# KiCad board Mioke80.kicad_pcb
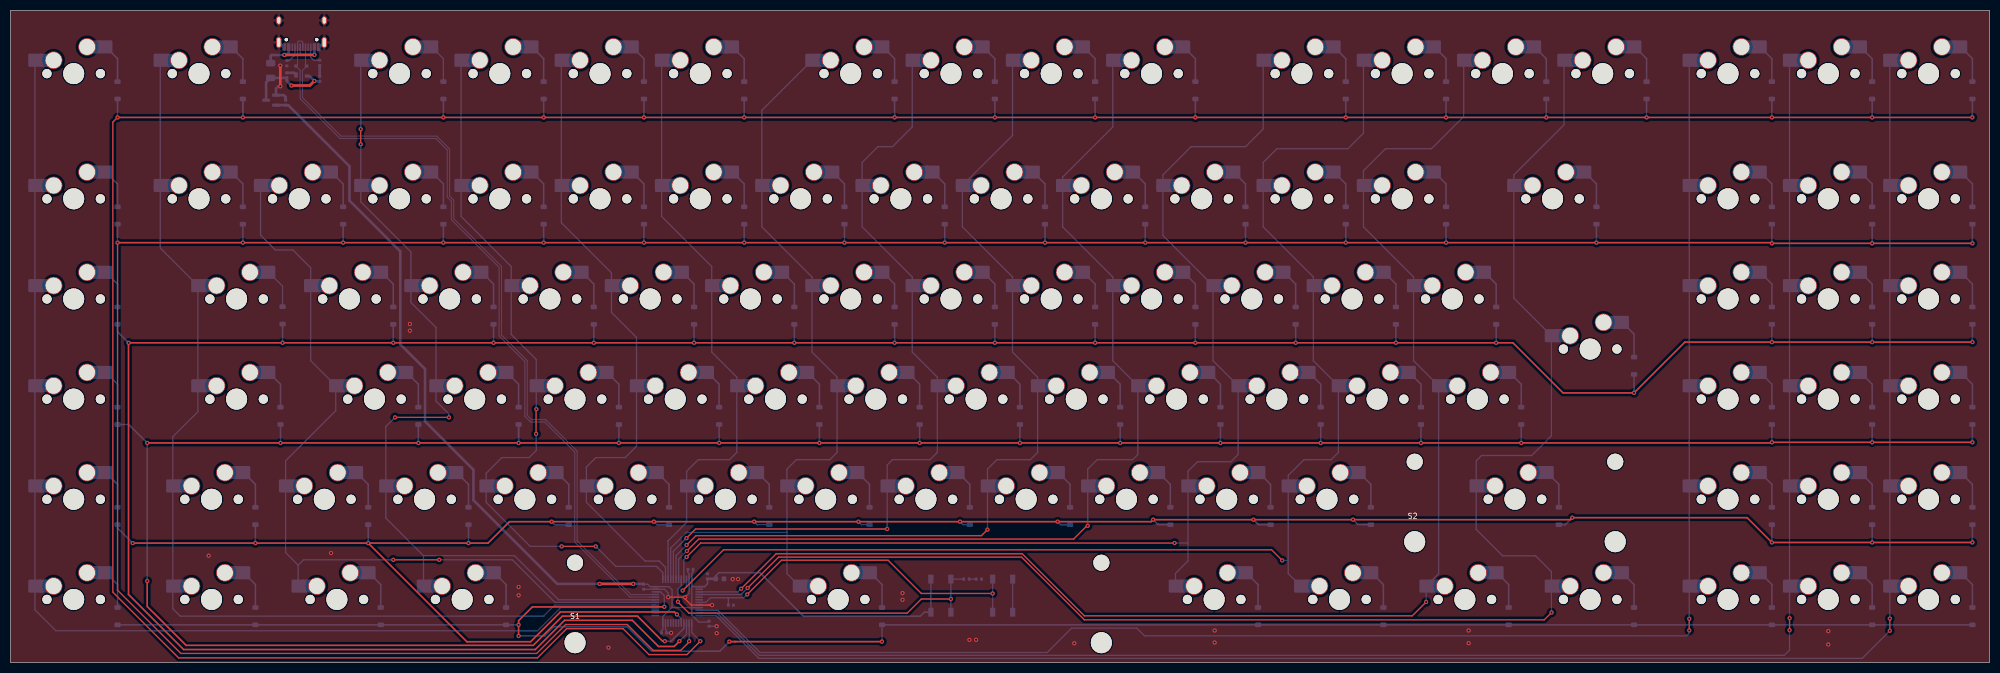
[diagram p0: board, top side]
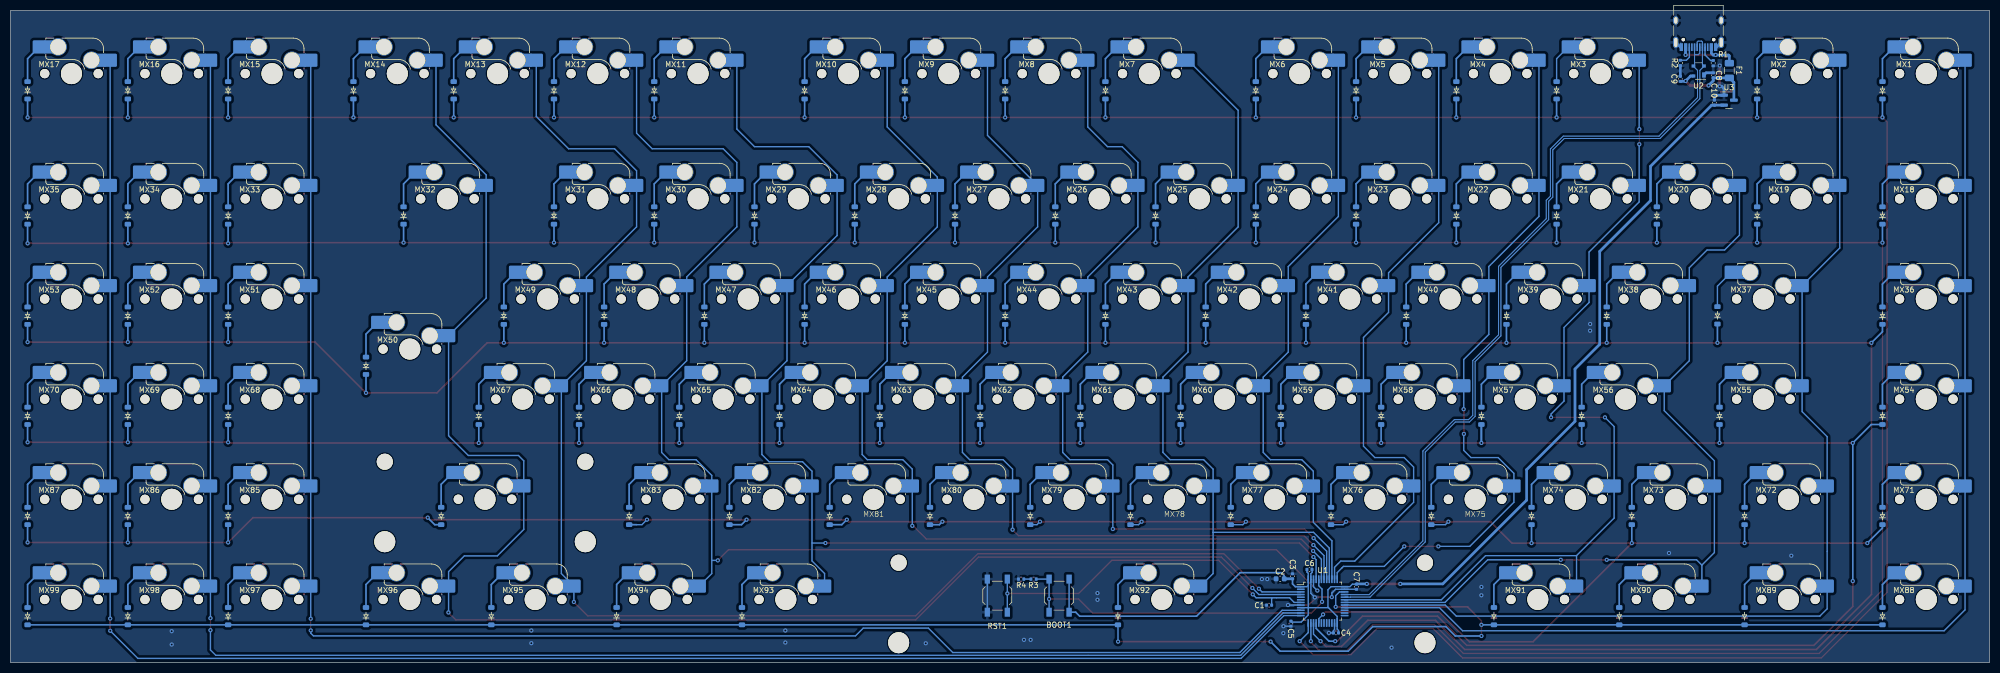
[diagram p1: board, bottom side, seen from below]

Outline 376 x 124 mm; copper layers: Top, Bottom. Coordinates in mm from the lower left corner of the outline.
Outline path: 0,124 0,0 376,0 376,124 0,124
Stack: Top 0.035mm / dielectric 1.11mm FR4 er 4.5 / Bottom 0.035mm

## Placement (name value [footprint] x y rotation side)
BOOT1  SW_SPST  [SW_SPST_TL3342]  176.77 12.71 270 bottom
C1  100nF  [C_0402_1005Metric]  136.87 10.91 0 bottom
C2  47uF  [C_0603_1608Metric]  134.77 15.91 0 bottom
C3  100nF  [C_0402_1005Metric]  132.42 16.39 90 bottom
C4  100nF  [C_0402_1005Metric]  124.17 5.62 0 bottom
C5  100nF  [C_0402_1005Metric]  132.73 7.38 270 bottom
C6  100nF  [C_0402_1005Metric]  129.2 17.69 180 bottom
C7  100nF  [C_0402_1005Metric]  120.28 14.41 270 bottom
C8  100nF  [C_0402_1005Metric]  52.49 111.67 90 bottom
C9  1uF  [C_0402_1005Metric]  58.74 111.01 90 bottom
C10  1uF  [C_0402_1005Metric]  52.27 106.48 90 bottom
D1  4148  [Diode_SOD-123]  20.33 108.83 90 bottom
D2  4148  [Diode_SOD-123]  44.15 108.83 90 bottom
D3  4148  [Diode_SOD-123]  82.25 108.83 90 bottom
D4  4148  [Diode_SOD-123]  101.3 108.83 90 bottom
D5  4148  [Diode_SOD-123]  120.35 108.83 90 bottom
D6  4148  [Diode_SOD-123]  139.4 108.83 90 bottom
D7  4148  [Diode_SOD-123]  167.97 108.83 90 bottom
D8  4148  [Diode_SOD-123]  187.02 108.83 90 bottom
D9  4148  [Diode_SOD-123]  206.07 108.83 90 bottom
D10  4148  [Diode_SOD-123]  225.12 108.83 90 bottom
D11  4148  [Diode_SOD-123]  253.7 108.83 90 bottom
D12  4148  [Diode_SOD-123]  272.75 108.83 90 bottom
D13  4148  [Diode_SOD-123]  291.8 108.83 90 bottom
D14  4148  [Diode_SOD-123]  310.85 108.83 90 bottom
D15  4148  [Diode_SOD-123]  334.66 108.83 90 bottom
D16  4148  [Diode_SOD-123]  353.71 108.83 90 bottom
D17  4148  [Diode_SOD-123]  372.76 108.83 90 bottom
D18  4148  [Diode_SOD-123]  20.33 85.01 90 bottom
D19  4148  [Diode_SOD-123]  44.15 85.01 90 bottom
D20  4148  [Diode_SOD-123]  63.2 85.01 90 bottom
D21  4148  [Diode_SOD-123]  82.25 85.01 90 bottom
D22  4148  [Diode_SOD-123]  101.3 85.01 90 bottom
D23  4148  [Diode_SOD-123]  120.35 85.01 90 bottom
D24  4148  [Diode_SOD-123]  139.4 85.01 90 bottom
D25  4148  [Diode_SOD-123]  158.45 85.01 90 bottom
D26  4148  [Diode_SOD-123]  177.5 85.01 90 bottom
D27  4148  [Diode_SOD-123]  196.55 85.01 90 bottom
D28  4148  [Diode_SOD-123]  215.6 85.01 90 bottom
D29  4148  [Diode_SOD-123]  234.65 85.01 90 bottom
D30  4148  [Diode_SOD-123]  253.7 85.01 90 bottom
D31  4148  [Diode_SOD-123]  272.75 85.01 90 bottom
D32  4148  [Diode_SOD-123]  301.32 85.01 90 bottom
D33  4148  [Diode_SOD-123]  334.66 85.01 90 bottom
D34  4148  [Diode_SOD-123]  353.71 85.01 90 bottom
D35  4148  [Diode_SOD-123]  372.76 85.01 90 bottom
D36  4148  [Diode_SOD-123]  20.33 65.96 90 bottom
D37  4148  [Diode_SOD-123]  51.69 66.03 90 bottom
D38  4148  [Diode_SOD-123]  72.72 65.96 90 bottom
D39  4148  [Diode_SOD-123]  91.77 65.96 90 bottom
D40  4148  [Diode_SOD-123]  110.82 65.96 90 bottom
D41  4148  [Diode_SOD-123]  129.87 65.96 90 bottom
D42  4148  [Diode_SOD-123]  148.92 65.96 90 bottom
D43  4148  [Diode_SOD-123]  167.97 65.96 90 bottom
D44  4148  [Diode_SOD-123]  187.02 65.96 90 bottom
D45  4148  [Diode_SOD-123]  206.07 65.96 90 bottom
D46  4148  [Diode_SOD-123]  225.12 65.96 90 bottom
D47  4148  [Diode_SOD-123]  244.17 65.96 90 bottom
D48  4148  [Diode_SOD-123]  263.22 65.96 90 bottom
D49  4148  [Diode_SOD-123]  282.27 65.96 90 bottom
D50  4148  [Diode_SOD-123]  308.47 56.44 90 bottom
D51  4148  [Diode_SOD-123]  334.66 65.96 90 bottom
D52  4148  [Diode_SOD-123]  353.71 65.96 90 bottom
D53  4148  [Diode_SOD-123]  372.76 65.96 90 bottom
D54  4148  [Diode_SOD-123]  20.33 46.91 90 bottom
D55  4148  [Diode_SOD-123]  51.29 46.91 90 bottom
D56  4148  [Diode_SOD-123]  77.48 46.91 90 bottom
D57  4148  [Diode_SOD-123]  96.53 46.91 90 bottom
D58  4148  [Diode_SOD-123]  115.58 46.91 90 bottom
D59  4148  [Diode_SOD-123]  134.63 46.91 90 bottom
D60  4148  [Diode_SOD-123]  153.68 46.91 90 bottom
D61  4148  [Diode_SOD-123]  172.73 46.91 90 bottom
D62  4148  [Diode_SOD-123]  191.78 46.91 90 bottom
D63  4148  [Diode_SOD-123]  210.83 46.91 90 bottom
D64  4148  [Diode_SOD-123]  229.88 46.91 90 bottom
D65  4148  [Diode_SOD-123]  248.93 46.91 90 bottom
D66  4148  [Diode_SOD-123]  267.98 46.91 90 bottom
D67  4148  [Diode_SOD-123]  287.03 46.91 90 bottom
D68  4148  [Diode_SOD-123]  334.66 46.91 90 bottom
D69  4148  [Diode_SOD-123]  353.71 46.91 90 bottom
D70  4148  [Diode_SOD-123]  372.76 46.91 90 bottom
D71  4148  [Diode_SOD-123]  20.33 27.86 90 bottom
D72  4148  [Diode_SOD-123]  46.53 27.86 90 bottom
D73  4148  [Diode_SOD-123]  67.96 27.86 90 bottom
D74  4148  [Diode_SOD-123]  87.01 27.86 90 bottom
D75  4148  [Diode_SOD-123]  106.06 27.86 90 bottom
D76  4148  [Diode_SOD-123]  125.11 27.86 90 bottom
D77  4148  [Diode_SOD-123]  144.16 27.86 90 bottom
D78  4148  [Diode_SOD-123]  163.21 27.86 90 bottom
D79  4148  [Diode_SOD-123]  182.26 27.86 90 bottom
D80  4148  [Diode_SOD-123]  201.31 27.86 90 bottom
D81  4148  [Diode_SOD-123]  220.36 27.86 90 bottom
D82  4148  [Diode_SOD-123]  239.41 27.86 90 bottom
D83  4148  [Diode_SOD-123]  258.46 27.86 90 bottom
D84  4148  [Diode_SOD-123]  294.18 27.86 90 bottom
D85  4148  [Diode_SOD-123]  334.66 27.86 90 bottom
D86  4148  [Diode_SOD-123]  353.71 27.86 90 bottom
D87  4148  [Diode_SOD-123]  372.76 27.86 90 bottom
D88  4148  [Diode_SOD-123]  20.33 8.81 90 bottom
D89  4148  [Diode_SOD-123]  46.53 8.81 90 bottom
D90  4148  [Diode_SOD-123]  70.34 8.81 90 bottom
D91  4148  [Diode_SOD-123]  94.15 8.81 90 bottom
D92  4148  [Diode_SOD-123]  165.59 8.81 90 bottom
D93  4148  [Diode_SOD-123]  237.03 8.81 90 bottom
D94  4148  [Diode_SOD-123]  260.84 8.81 90 bottom
D95  4148  [Diode_SOD-123]  284.65 8.81 90 bottom
D96  4148  [Diode_SOD-123]  308.47 8.81 90 bottom
D97  4148  [Diode_SOD-123]  334.66 8.81 90 bottom
D98  4148  [Diode_SOD-123]  353.71 8.81 90 bottom
D99  4148  [Diode_SOD-123]  372.76 8.81 90 bottom
F1  500mA  [Fuse_1206_3216Metric]  49.42 112.59 270 bottom
J1  USB_C_Receptacle_USB2.0  [USB_C_Receptacle_HRO_TYPE-C-31-M-12]  55.29 121.07 0 bottom
MX1  MX_SW_HS  [SW_MX_HS_CPG151101S11_1u]  12 112 180 bottom
MX2  MX_SW_HS  [SW_MX_HS_CPG151101S11_1u]  35.81 112 180 bottom
MX3  MX_SW_HS  [SW_MX_HS_CPG151101S11_1u]  73.91 112 180 bottom
MX4  MX_SW_HS  [SW_MX_HS_CPG151101S11_1u]  92.96 112 180 bottom
MX5  MX_SW_HS  [SW_MX_HS_CPG151101S11_1u]  112.01 112 180 bottom
MX6  MX_SW_HS  [SW_MX_HS_CPG151101S11_1u]  131.06 112 180 bottom
MX7  MX_SW_HS  [SW_MX_HS_CPG151101S11_1u]  159.64 112 180 bottom
MX8  MX_SW_HS  [SW_MX_HS_CPG151101S11_1u]  178.69 112 180 bottom
MX9  MX_SW_HS  [SW_MX_HS_CPG151101S11_1u]  197.74 112 180 bottom
MX10  MX_SW_HS  [SW_MX_HS_CPG151101S11_1u]  216.79 112 180 bottom
MX11  MX_SW_HS  [SW_MX_HS_CPG151101S11_1u]  245.36 112 180 bottom
MX12  MX_SW_HS  [SW_MX_HS_CPG151101S11_1u]  264.41 112 180 bottom
MX13  MX_SW_HS  [SW_MX_HS_CPG151101S11_1u]  283.46 112 180 bottom
MX14  MX_SW_HS  [SW_MX_HS_CPG151101S11_1u]  302.51 112 180 bottom
MX15  MX_SW_HS  [SW_MX_HS_CPG151101S11_1u]  326.32 112 180 bottom
MX16  MX_SW_HS  [SW_MX_HS_CPG151101S11_1u]  345.38 112 180 bottom
MX17  MX_SW_HS  [SW_MX_HS_CPG151101S11_1u]  364.42 112 180 bottom
MX18  MX_SW_HS  [SW_MX_HS_CPG151101S11_1u]  12 88.19 180 bottom
MX19  MX_SW_HS  [SW_MX_HS_CPG151101S11_1u]  35.81 88.19 180 bottom
MX20  MX_SW_HS  [SW_MX_HS_CPG151101S11_1u]  54.86 88.19 180 bottom
MX21  MX_SW_HS  [SW_MX_HS_CPG151101S11_1u]  73.91 88.19 180 bottom
MX22  MX_SW_HS  [SW_MX_HS_CPG151101S11_1u]  92.96 88.19 180 bottom
MX23  MX_SW_HS  [SW_MX_HS_CPG151101S11_1u]  112.01 88.19 180 bottom
MX24  MX_SW_HS  [SW_MX_HS_CPG151101S11_1u]  131.06 88.19 180 bottom
MX25  MX_SW_HS  [SW_MX_HS_CPG151101S11_1u]  150.11 88.19 180 bottom
MX26  MX_SW_HS  [SW_MX_HS_CPG151101S11_1u]  169.16 88.19 180 bottom
MX27  MX_SW_HS  [SW_MX_HS_CPG151101S11_1u]  188.21 88.19 180 bottom
MX28  MX_SW_HS  [SW_MX_HS_CPG151101S11_1u]  207.26 88.19 180 bottom
MX29  MX_SW_HS  [SW_MX_HS_CPG151101S11_1u]  226.31 88.19 180 bottom
MX30  MX_SW_HS  [SW_MX_HS_CPG151101S11_1u]  245.36 88.19 180 bottom
MX31  MX_SW_HS  [SW_MX_HS_CPG151101S11_1u]  264.41 88.19 180 bottom
MX32  MX_SW_HS  [SW_MX_HS_CPG151101S11_1u]  292.99 88.19 180 bottom
MX33  MX_SW_HS  [SW_MX_HS_CPG151101S11_1u]  326.32 88.19 180 bottom
MX34  MX_SW_HS  [SW_MX_HS_CPG151101S11_1u]  345.38 88.19 180 bottom
MX35  MX_SW_HS  [SW_MX_HS_CPG151101S11_1u]  364.42 88.19 180 bottom
MX36  MX_SW_HS  [SW_MX_HS_CPG151101S11_1u]  12 69.14 180 bottom
MX37  MX_SW_HS  [SW_MX_HS_CPG151101S11_1.75u]  42.96 69.14 180 bottom
MX38  MX_SW_HS  [SW_MX_HS_CPG151101S11_1u]  64.39 69.14 180 bottom
MX39  MX_SW_HS  [SW_MX_HS_CPG151101S11_1u]  83.44 69.14 180 bottom
MX40  MX_SW_HS  [SW_MX_HS_CPG151101S11_1u]  102.49 69.14 180 bottom
MX41  MX_SW_HS  [SW_MX_HS_CPG151101S11_1u]  121.54 69.14 180 bottom
MX42  MX_SW_HS  [SW_MX_HS_CPG151101S11_1u]  140.59 69.14 180 bottom
MX43  MX_SW_HS  [SW_MX_HS_CPG151101S11_1u]  159.64 69.14 180 bottom
MX44  MX_SW_HS  [SW_MX_HS_CPG151101S11_1u]  178.69 69.14 180 bottom
MX45  MX_SW_HS  [SW_MX_HS_CPG151101S11_1u]  197.74 69.14 180 bottom
MX46  MX_SW_HS  [SW_MX_HS_CPG151101S11_1u]  216.79 69.14 180 bottom
MX47  MX_SW_HS  [SW_MX_HS_CPG151101S11_1u]  235.84 69.14 180 bottom
MX48  MX_SW_HS  [SW_MX_HS_CPG151101S11_1u]  254.89 69.14 180 bottom
MX49  MX_SW_HS  [SW_MX_HS_CPG151101S11_1u]  273.94 69.14 180 bottom
MX50  MX_SW_HS  [SW_MX_HS_CPG151101S11_1u]  300.13 59.61 180 bottom
MX51  MX_SW_HS  [SW_MX_HS_CPG151101S11_1u]  326.32 69.14 180 bottom
MX52  MX_SW_HS  [SW_MX_HS_CPG151101S11_1u]  345.38 69.14 180 bottom
MX53  MX_SW_HS  [SW_MX_HS_CPG151101S11_1u]  364.42 69.14 180 bottom
MX54  MX_SW_HS  [SW_MX_HS_CPG151101S11_1u]  12 50.09 180 bottom
MX55  MX_SW_HS  [SW_MX_HS_CPG151101S11_1.75u]  42.96 50.09 180 bottom
MX56  MX_SW_HS  [SW_MX_HS_CPG151101S11_1u]  69.15 50.09 180 bottom
MX57  MX_SW_HS  [SW_MX_HS_CPG151101S11_1u]  88.2 50.09 180 bottom
MX58  MX_SW_HS  [SW_MX_HS_CPG151101S11_1u]  107.25 50.09 180 bottom
MX59  MX_SW_HS  [SW_MX_HS_CPG151101S11_1u]  126.3 50.09 180 bottom
MX60  MX_SW_HS  [SW_MX_HS_CPG151101S11_1u]  145.35 50.09 180 bottom
MX61  MX_SW_HS  [SW_MX_HS_CPG151101S11_1u]  164.4 50.09 180 bottom
MX62  MX_SW_HS  [SW_MX_HS_CPG151101S11_1u]  183.45 50.09 180 bottom
MX63  MX_SW_HS  [SW_MX_HS_CPG151101S11_1u]  202.5 50.09 180 bottom
MX64  MX_SW_HS  [SW_MX_HS_CPG151101S11_1.75u]  221.55 50.09 180 bottom
MX65  MX_SW_HS  [SW_MX_HS_CPG151101S11_1u]  240.6 50.09 180 bottom
MX66  MX_SW_HS  [SW_MX_HS_CPG151101S11_1u]  259.65 50.09 180 bottom
MX67  MX_SW_HS  [SW_MX_HS_CPG151101S11_1u]  278.7 50.09 180 bottom
MX68  MX_SW_HS  [SW_MX_HS_CPG151101S11_1u]  326.32 50.09 180 bottom
MX69  MX_SW_HS  [SW_MX_HS_CPG151101S11_1u]  345.38 50.09 180 bottom
MX70  MX_SW_HS  [SW_MX_HS_CPG151101S11_1u]  364.42 50.09 180 bottom
MX71  MX_SW_HS  [SW_MX_HS_CPG151101S11_1u]  12 31.04 180 bottom
MX72  MX_SW_HS  [SW_MX_HS_CPG151101S11_1.25u]  38.19 31.04 180 bottom
MX73  MX_SW_HS  [SW_MX_HS_CPG151101S11_1u]  59.62 31.04 180 bottom
MX74  MX_SW_HS  [SW_MX_HS_CPG151101S11_1u]  78.67 31.04 180 bottom
MX75  MX_SW_HS  [SW_MX_HS_1U]  97.72 31.04 180 bottom
MX76  MX_SW_HS  [SW_MX_HS_CPG151101S11_1u]  116.77 31.04 180 bottom
MX77  MX_SW_HS  [SW_MX_HS_CPG151101S11_1u]  135.83 31.04 180 bottom
MX78  MX_SW_HS  [SW_MX_HS_1U]  154.88 31.04 180 bottom
MX79  MX_SW_HS  [SW_MX_HS_CPG151101S11_1u]  173.93 31.04 180 bottom
MX80  MX_SW_HS  [SW_MX_HS_CPG151101S11_1u]  192.98 31.04 180 bottom
MX81  MX_SW_HS  [SW_MX_HS_1U]  212.03 31.04 180 bottom
MX82  MX_SW_HS  [SW_MX_HS_CPG151101S11_1u]  231.08 31.04 180 bottom
MX83  MX_SW_HS  [SW_MX_HS_CPG151101S11_1u]  250.13 31.04 180 bottom
MX84  MX_SW_HS  [SW_MX_HS_2.75U]  285.84 31.04 180 bottom
MX85  MX_SW_HS  [SW_MX_HS_CPG151101S11_1u]  326.32 31.04 180 bottom
MX86  MX_SW_HS  [SW_MX_HS_CPG151101S11_1u]  345.38 31.04 180 bottom
MX87  MX_SW_HS  [SW_MX_HS_CPG151101S11_1u]  364.42 31.04 180 bottom
MX88  MX_SW_HS  [SW_MX_HS_CPG151101S11_1u]  12 11.99 180 bottom
MX89  MX_SW_HS  [SW_MX_HS_CPG151101S11_1.25u]  38.19 11.99 180 bottom
MX90  MX_SW_HS  [SW_MX_HS_CPG151101S11_1.25u]  62.01 11.99 180 bottom
MX91  MX_SW_HS  [SW_MX_HS_CPG151101S11_1.25u]  85.82 11.99 180 bottom
MX92  MX_SW_HS  [SW_MX_HS_CPG151101S11_1u]  157.26 11.99 180 bottom
MX93  MX_SW_HS  [SW_MX_HS_CPG151101S11_1.25u]  228.69 11.99 180 bottom
MX94  MX_SW_HS  [SW_MX_HS_CPG151101S11_1.25u]  252.51 11.99 180 bottom
MX95  MX_SW_HS  [SW_MX_HS_CPG151101S11_1.25u]  276.32 11.99 180 bottom
MX96  MX_SW_HS  [SW_MX_HS_CPG151101S11_1.25u]  300.13 11.99 180 bottom
MX97  MX_SW_HS  [SW_MX_HS_CPG151101S11_1u]  326.32 11.99 180 bottom
MX98  MX_SW_HS  [SW_MX_HS_CPG151101S11_1u]  345.38 11.99 180 bottom
MX99  MX_SW_HS  [SW_MX_HS_CPG151101S11_1u]  364.42 11.99 180 bottom
R1  5.1k  [R_0402_1005Metric]  52.49 113.98 90 bottom
R2  5.1k  [R_0402_1005Metric]  58.74 114.03 270 bottom
R3  5.1k  [R_0402_1005Metric]  181.62 15.86 0 bottom
R4  5.1k  [R_0402_1005Metric]  183.98 15.86 0 bottom
RST1  SW_SPST  [SW_SPST_TL3342]  188.51 12.71 270 bottom
S1  MX_stab  [Stabilizer_MX_6.25u]  157.26 11.99 0 top
S2  MX_stab  [Stabilizer_MX_3.00u]  285.84 31.2 0 top
U1  STM32F072CBT6  [LQFP-48_7x7mm_P0.5mm]  126.68 11.67 180 bottom
U2  PRTR5V0U2X  [SOT-143]  55.25 112.49 0 bottom
U3  XC6206PxxxMR-Regulator_Linear  [SOT-23]  49.5 106.95 180 bottom

## Library data of the parts
C1-C10 = -: LCSC: C307331; ki_fp_filters: C_*
D1-D99 = -: Description: Diode, small symbol; Sim.Device: D; Sim.Pins: 1=K 2=A; ki_fp_filters: TO-???* *_Diode_* *SingleDiode* D_*
F1 = -: LCSC: C135341; ki_fp_filters: *polyfuse* *PTC*
J1 = -: Datasheet: https://www.usb.org/sites/default/files/documents/usb_type-c.zip; JlcRotOffset: 180; JlcPosOffset: 0,1.5; ki_fp_filters: USB*C*Receptacle*
MX1-MX99 = -: Description: Push button switch, normally open, two pins, 45° tilted, Kailh CPG151101S11 for Cherry MX style switches
R1-R4 = -: ki_fp_filters: R_*
S1 S2 = -: Description: Cherry MX-style stabilizer
U1 = -: Datasheet: https://www.st.com/resource/en/datasheet/stm32f072cb.pdf; JlcRotOffset: 90; ki_fp_filters: LQFP*7x7mm*P0.5mm*
U2 = -: Datasheet: https://assets.nexperia.com/documents/data-sheet/PRTR5V0U2X.pdf; LCSC: C2827688; JlcRotOffset: 90; ki_fp_filters: SOT?143*
U3 = -: Datasheet: https://www.torexsemi.com/file/xc6206/XC6206.pdf; LCSC: C5446; ki_fp_filters: SOT?23*

## Footprints (pads in the part's own frame, mm; a bottom-side part is the same pattern mirrored in y, then rotated)
C_0402_1005Metric
  rrect 0.56x0.62 smd: 1(-0.48,0) 2(0.48,0)
C_0603_1608Metric
  rrect 0.9x0.95 smd: 1(-0.775,0) 2(0.775,0)
Diode_SOD-123
  rrect 0.9x1.2 smd: 1(-1.65,0) 2(1.65,0)
Fuse_1206_3216Metric
  rrect 1.25x1.75 smd: 1(-1.4,0) 2(1.4,0)
LQFP-48_7x7mm_P0.5mm
  rrect 1.475x0.3 smd: 1(-4.162,2.75) 2(-4.162,2.25) 3(-4.162,1.75) 4(-4.162,1.25) 5(-4.162,0.75) 6(-4.162,0.25) 7(-4.162,-0.25) 8(-4.162,-0.75) 9(-4.162,-1.25) 10(-4.162,-1.75) 11(-4.162,-2.25) 12(-4.162,-2.75) 25(4.162,-2.75) 26(4.162,-2.25) 27(4.162,-1.75) 28(4.162,-1.25) 29(4.162,-0.75) 30(4.162,-0.25) 31(4.162,0.25) 32(4.162,0.75) 33(4.162,1.25) 34(4.162,1.75) 35(4.162,2.25) 36(4.162,2.75)
  rrect 0.3x1.475 smd: 13(-2.75,-4.162) 14(-2.25,-4.162) 15(-1.75,-4.162) 16(-1.25,-4.162) 17(-0.75,-4.162) 18(-0.25,-4.162) 19(0.25,-4.162) 20(0.75,-4.162) 21(1.25,-4.162) 22(1.75,-4.162) 23(2.25,-4.162) 24(2.75,-4.162) 37(2.75,4.162) 38(2.25,4.162) 39(1.75,4.162) 40(1.25,4.162) 41(0.75,4.162) 42(0.25,4.162) 43(-0.25,4.162) 44(-0.75,4.162) 45(-1.25,4.162) 46(-1.75,4.162) 47(-2.25,4.162) 48(-2.75,4.162)
R_0402_1005Metric
  rrect 0.54x0.64 smd: 1(-0.51,0) 2(0.51,0)
SOT-23
  rrect 1.475x0.6 smd: 1(-0.938,0.95) 2(-0.938,-0.95) 3(0.938,0)
SOT-143
  rect 0.7x1 smd: 1(-1,0.75)
  rect 0.7x0.6 smd: 2(-1,-0.95) 3(1,-0.95) 4(1,0.95)
Stabilizer_MX_3.00u
  round 3.048 hole 3.048 unplated: (-19.05,6.985) (19.05,6.985)
  round 3.988 hole 3.988 unplated: (-19.05,-8.225) (19.05,-8.225)
Stabilizer_MX_6.25u
  round 3.048 hole 3.048 unplated: (-50,6.985) (50,6.985)
  round 3.988 hole 3.988 unplated: (-50,-8.225) (50,-8.225)
SW_MX_HS_1U
  round 1.75 hole 1.75 unplated: (-5.08,0) (5.08,0)
  round 3.988 hole 3.988 unplated: (0,0)
  round 3.3 hole 3: 1(3.81,2.54) 2(-2.54,5.08)
  rect 1.65x2.5 smd: 1(5.635,2.54) 2(-4.34,5.08)
  rrect 2.55x2.5 smd: 1(7.36,2.54) 2(-6.09,5.08)
SW_MX_HS_2.75U
  round 1.75 hole 1.75 unplated: (-5.08,0.015) (5.08,0.015)
  round 3.988 hole 3.988 unplated: (0,0.015)
  round 3.3 hole 3: 1(3.81,2.555) 2(-2.54,5.095)
  rect 1.65x2.5 smd: 1(5.635,2.555) 2(-4.34,5.095)
  rrect 2.55x2.5 smd: 1(7.36,2.555) 2(-6.09,5.095)
SW_MX_HS_CPG151101S11_1.25u
  round 1.75 hole 1.75 unplated: (-5.08,0) (5.08,0)
  round 3.988 hole 3.988 unplated: (0,0)
  round 3.3 hole 3: 1(3.81,2.54) 2(-2.54,5.08)
  rect 1.65x2.5 smd: 1(5.635,2.54) 2(-4.34,5.08)
  rrect 2.55x2.5 smd: 1(7.36,2.54) 2(-6.09,5.08)
SW_MX_HS_CPG151101S11_1.75u
  round 1.75 hole 1.75 unplated: (-5.08,0) (5.08,0)
  round 3.988 hole 3.988 unplated: (0,0)
  round 3.3 hole 3: 1(3.81,2.54) 2(-2.54,5.08)
  rect 1.65x2.5 smd: 1(5.635,2.54) 2(-4.34,5.08)
  rrect 2.55x2.5 smd: 1(7.36,2.54) 2(-6.09,5.08)
SW_MX_HS_CPG151101S11_1u
  round 1.75 hole 1.75 unplated: (-5.08,0) (5.08,0)
  round 3.988 hole 3.988 unplated: (0,0)
  round 3.3 hole 3: 1(3.81,2.54) 2(-2.54,5.08)
  rect 1.65x2.5 smd: 1(5.635,2.54) 2(-4.34,5.08)
  rrect 2.55x2.5 smd: 1(7.36,2.54) 2(-6.09,5.08)
SW_SPST_TL3342
  rect 1.7x1 smd: 1(-3.15,1.9) 1(3.15,1.9) 2(-3.15,-1.9) 2(3.15,-1.9)
USB_C_Receptacle_HRO_TYPE-C-31-M-12
  round 0.65 hole 0.65 unplated: (-2.89,2.6) (2.89,2.6)
  rect 0.6x1.45 smd: A1(-3.25,4.045) A4(-2.45,4.045) A9(2.45,4.045) A12(3.25,4.045) B1(3.25,4.045) B4(2.45,4.045) B9(-2.45,4.045) B12(-3.25,4.045)
  rect 0.3x1.45 smd: A5(-1.25,4.045) A6(-0.25,4.045) A7(0.25,4.045) A8(1.25,4.045) B5(1.75,4.045) B6(0.75,4.045) B7(-0.75,4.045) B8(-1.75,4.045)
  oval 1x1.6 hole 0.6x1.2: S1(-4.32,-1.05) S1(4.32,-1.05)
  oval 1x2.1 hole 0.6x1.7: S1(-4.32,3.13) S1(4.32,3.13)
